# Allegro board 8880F5-0827_txbegin.brd (continued)
## Routing (per net, layer and track width the routed paths; a pad name or vN(x,y) marks a point on that pad's centre or on a via; arc(x,y) is an arc through that point) (continued)
  L30_SIGNAL w0.074: 88.9,80.47 D130.B2 ; D130.B2 89.71,81.28 ; D130.B2 88.09,81.28 ; D130.B2 88.9,82.09 ; 190.5,32.21 D120.A13 ; D120.A13 191.31,33.02 ; D120.A13 190.5,33.83 ; D120.A13 189.69,33.02 ; 194.87,63.5 D318.A15 ; D318.A15 196.29,63.5 ; D318.A15 195.58,64.21 ; D318.A15 195.58,62.79 ; 255.83,71.12 D322.B10 ; D322.B10 256.54,71.83 ; D322.B10 256.54,70.41 ; D322.B10 257.25,71.12 ; 184.61,58.42 D119.B11 ; D119.B11 185.42,57.61 ; D119.B11 185.42,59.23 ; D119.B11 186.23,58.42 ; D109.B6 408.94,328.47 ; D109.B6 408.94,326.85 ; D109.B6 408.13,327.66 ; D109.B6 409.75,327.66 ; D104.A14 341.17,35.56 ; D104.A14 339.55,35.56 ; D104.A14 340.36,34.75 ; D104.A14 340.36,36.37 ; 330.23,185.95 SITE4.G18 ; SITE4.G18 330.23,186.91 ; SITE4.G18 329.75,186.43 ; SITE4.G18 330.71,186.43 ; D129.B6 99.87,101.6 ; D129.B6 98.25,101.6 ; D129.B6 99.06,100.79 ; D129.B6 99.06,102.41 ; 199.85,415.29 DPS8.A01 ; DPS8.A01 201.47,415.29 ; DPS8.A01 200.66,416.1 ; DPS8.A01 200.66,414.48 ; 37.29,78.74 D126.B11 ; D126.B11 38.91,78.74 ; D126.B11 38.1,79.55 ; D126.B11 38.1,77.93 ; 337.82,375.11 D115.A5 ; D115.A5 338.63,375.92 ; D115.A5 337.01,375.92 ; D115.A5 337.82,376.73 ; 258.27,33.02 D124.A11 ; D124.A11 259.08,33.83 ; D124.A11 259.08,32.21 ; D124.A11 259.89,33.02 ; 316.69,53.34 D103.A5 ; D103.A5 317.5,54.15 ; D103.A5 318.31,53.34 ; D103.A5 317.5,52.53 ; 307.34,88.19 D301.B1 ; D301.B1 307.34,89.61 ; D301.B1 306.63,88.9 ; D301.B1 308.05,88.9 ; D103.B1 307.34,59.23 ; D103.B1 307.34,57.61 ; D103.B1 308.15,58.42 ; D103.B1 306.53,58.42 ; D317.B13 190.5,89.61 ; D317.B13 190.5,88.19 ; D317.B13 191.21,88.9 ; D317.B13 189.79,88.9 ; 166.93,71.12 D318.B4 ; D318.B4 167.64,71.83 ; D318.B4 167.64,70.41 ; D318.B4 168.35,71.12 ; D122.A8 252.27,76.2 ; D122.A8 250.65,76.2 ; D122.A8 251.46,77.01 ; D122.A8 251.46,75.39 ; 187.96,85.65 D317.A12 ; D317.A12 188.67,86.36 ; D317.A12 187.25,86.36 ; D317.A12 187.96,87.07 ; 108.41,81.28 D130.B10 ; D130.B10 109.22,80.47 ; D130.B10 109.22,82.09 ; D130.B10 110.03,81.28 ; 401.32,57.61 D107.B9 ; D107.B9 400.51,58.42 ; D107.B9 401.32,59.23 ; D107.B9 402.13,58.42 ; 413.21,60.96 D107.B14 ; D107.B14 414.02,61.77 ; D107.B14 414.02,60.15 ; D107.B14 414.83,60.96 ; 419.1,90.73 D305.B16 ; D305.B16 418.39,91.44 ; D305.B16 419.81,91.44 ; D305.B16 419.1,92.15 ; 397.97,327.66 D109.B10 ; D109.B10 398.78,328.47 ; D109.B10 398.78,326.85 ; D109.B10 399.59,327.66 ; 380.29,83.82 D305.A1 ; D305.A1 381.71,83.82 ; D305.A1 381,84.53 ; D305.A1 381,83.11 ; 98.25,60.96 D131.B6 ; D131.B6 99.06,60.15 ; D131.B6 99.06,61.77 ; D131.B6 99.87,60.96 ; D125.A4 21.13,96.52 ; D125.A4 20.32,95.71 ; D125.A4 19.51,96.52 ; D125.A4 20.32,97.33 ; 408.23,86.36 D305.A12 ; D305.A12 408.94,85.65 ; D305.A12 409.65,86.36 ; D305.A12 408.94,87.07 ; 169.37,78.74 D118.B5 ; D118.B5 170.18,79.55 ; D118.B5 170.99,78.74 ; D118.B5 170.18,77.93 ; 248.92,77.93 D122.B7 ; D122.B7 248.92,79.55 ; D122.B7 249.73,78.74 ; D122.B7 248.11,78.74 ; 175.26,77.93 D118.B7 ; D118.B7 176.07,78.74 ; D118.B7 174.45,78.74 ; D118.B7 175.26,79.55 ; 251.43,242.35 SITE1.G15 ; SITE1.G15 250.95,242.83 ; SITE1.G15 251.91,242.83 ; SITE1.G15 251.43,243.31 ; D127.A16 51.61,55.88 ; D127.A16 50.8,56.69 ; D127.A16 50.8,55.07 ; D127.A16 49.99,55.88 ; D102.B6 320.04,82.09 ; D102.B6 319.23,81.28 ; D102.B6 320.04,80.47 ; D102.B6 320.85,81.28 ; D321.A9 254,84.53 ; D321.A9 254,83.11 ; D321.A9 254.71,83.82 ; D321.A9 253.29,83.82 ; 190.5,52.53 D119.A13 ; D119.A13 190.5,54.15 ; D119.A13 191.31,53.34 ; D119.A13 189.69,53.34 ; 260.81,40.64 D124.B12 ; D124.B12 261.62,39.83 ; D124.B12 262.43,40.64 ; D124.B12 261.62,41.45 ; UNK4U2.4 483.43,171.51 ; UNK4U2.4 482.49,170.56 ; UNK4U2.4 481.55,171.51 ; UNK4U2.4 482.49,172.45 ; 197.41,86.36 D317.A16 ; D317.A16 198.12,87.07 ; D317.A16 198.83,86.36 ; D317.A16 198.12,85.65 ; 410.67,370.84 D111.B5 ; D111.B5 412.29,370.84 ; D111.B5 411.48,370.03 ; D111.B5 411.48,371.65 ; 247.85,241.33 SITE1.G1 ; SITE1.G1 248.33,241.81 ; SITE1.G1 248.33,240.85 ; SITE1.G1 248.81,241.33 ; D116.B2 345.44,389.43 ; D116.B2 345.44,387.81 ; D116.B2 346.25,388.62 ; D116.B2 344.63,388.62 ; SITE4.G12 333.81,187.93 ; SITE4.G12 333.33,188.41 ; SITE4.G12 332.85,187.93 ; SITE4.G12 333.33,187.45 ; D106.B11 406.4,79.55 ; D106.B11 406.4,77.93 ; D106.B11 405.59,78.74 ; D106.B11 407.21,78.74 ; D318.B11 185.42,69.29 ; D318.B11 184.71,68.58 ; D318.B11 185.42,67.87 ; D318.B11 186.13,68.58 ; D321.B5 244.55,88.9 ; D321.B5 243.84,88.19 ; D321.B5 243.13,88.9 ; D321.B5 243.84,89.61 ; 347.17,410.21 DPS2.C01 ; DPS2.C01 347.98,409.4 ; DPS2.C01 348.79,410.21 ; DPS2.C01 347.98,411.02 ; D317.B9 180.34,89.61 ; D317.B9 180.34,88.19 ; D317.B9 181.05,88.9 ; D317.B9 179.63,88.9 ; CSDPS225.C7 259.08,331.01 ; CSDPS225.C7 259.89,330.2 ; CSDPS225.C7 259.08,329.39 ; CSDPS225.C7 258.27,330.2 ; 414.02,347.17 D110.B4 ; D110.B4 414.83,347.98 ; D110.B4 413.21,347.98 ; D110.B4 414.02,348.79 ; 331.85,241.33 SITE2.G5 ; SITE2.G5 332.81,241.33 ; SITE2.G5 332.33,241.81 ; SITE2.G5 332.33,240.85 ; 328.85,187.93 SITE4.G8 ; SITE4.G8 329.33,188.41 ; SITE4.G8 329.33,187.45 ; SITE4.G8 329.81,187.93 ; D116.A7 332.74,397.05 ; D116.A7 332.74,395.43 ; D116.A7 333.55,396.24 ; D116.A7 331.93,396.24 ; D306.A2 384.25,66.04 ; D306.A2 383.54,65.33 ; D306.A2 383.54,66.75 ; D306.A2 382.83,66.04 ; 248.92,62.79 D322.A7 ; D322.A7 248.21,63.5 ; D322.A7 249.63,63.5 ; D322.A7 248.92,64.21 ; D122.A9 254,74.47 ; D122.A9 254,72.85 ; D122.A9 254.81,73.66 ; D122.A9 253.19,73.66 ; 255.73,332.74 CSDPS225.B8 ; CSDPS225.B8 256.54,331.93 ; CSDPS225.B8 256.54,333.55 ; CSDPS225.B8 257.35,332.74 ; D306.B10 404.57,71.12 ; D306.B10 403.86,70.41 ; D306.B10 403.86,71.83 ; D306.B10 403.15,71.12 ; 24.59,55.88 D127.A6 ; D127.A6 25.4,56.69 ; D127.A6 26.21,55.88 ; D127.A6 25.4,55.07 ; 321.77,33.02 D104.A7 ; D104.A7 323.39,33.02 ; D104.A7 322.58,33.83 ; D104.A7 322.58,32.21 ; D115.B3 342.9,371.65 ; D115.B3 342.09,370.84 ; D115.B3 342.9,370.03 ; D115.B3 343.71,370.84 ; D130.B5 97.33,78.74 ; D130.B5 96.52,77.93 ; D130.B5 96.52,79.55 ; D130.B5 95.71,78.74 ; 198.12,377.65 D431.B2 ; D431.B2 198.93,378.46 ; D431.B2 198.12,379.27 ; D431.B2 197.31,378.46 ; 42.37,93.98 D125.A13 ; D125.A13 43.18,94.79 ; D125.A13 43.99,93.98 ; D125.A13 43.18,93.17 ; D107.B12 409.75,60.96 ; D107.B12 408.94,61.77 ; D107.B12 408.94,60.15 ; D107.B12 408.13,60.96 ; D103.B12 335.28,61.77 ; D103.B12 334.47,60.96 ; D103.B12 336.09,60.96 ; D103.B12 335.28,60.15 ; D120.A6 173.53,35.56 ; D120.A6 172.72,34.75 ; D120.A6 171.91,35.56 ; D120.A6 172.72,36.37 ; 317.5,395.43 D116.A13 ; D116.A13 317.5,397.05 ; D116.A13 316.69,396.24 ; D116.A13 318.31,396.24 ; D306.A6 393.7,66.75 ; D306.A6 392.99,66.04 ; D306.A6 394.41,66.04 ; D306.A6 393.7,65.33 ; D126.A10 35.56,77.01 ; D126.A10 35.56,75.39 ; D126.A10 34.75,76.2 ; D126.A10 36.37,76.2 ; D124.B3 238.76,38.91 ; D124.B3 238.76,37.29 ; D124.B3 239.57,38.1 ; D124.B3 237.95,38.1 ; 30.48,55.07 D127.A8 ; D127.A8 31.29,55.88 ; D127.A8 30.48,56.69 ; D127.A8 29.67,55.88 ; D113.B15 313.23,330.2 ; D113.B15 312.42,331.01 ; D113.B15 312.42,329.39 ; D113.B15 311.61,330.2 ; 393.7,326.85 D109.B12 ; D109.B12 394.51,327.66 ; D109.B12 393.7,328.47 ; D109.B12 392.89,327.66 ; 264.16,32.21 D124.A13 ; D124.A13 263.35,33.02 ; D124.A13 264.97,33.02 ; D124.A13 264.16,33.83 ; 397.97,35.56 D108.A8 ; D108.A8 398.78,34.75 ; D108.A8 398.78,36.37 ; D108.A8 399.59,35.56 ; D116.B1 348.79,391.16 ; D116.B1 347.17,391.16 ; D116.B1 347.98,390.35 ; D116.B1 347.98,391.97 ; D120.B8 177.8,41.45 ; D120.B8 177.8,39.83 ; D120.B8 178.61,40.64 ; D120.B8 176.99,40.64 ; D131.A7 101.6,54.15 ; D131.A7 101.6,52.53 ; D131.A7 102.41,53.34 ; D131.A7 100.79,53.34 ; D322.B11 259.08,69.29 ; D322.B11 258.37,68.58 ; D322.B11 259.08,67.87 ; D322.B11 259.79,68.58 ; 121.92,57.61 D131.B15 ; D131.B15 121.92,59.23 ; D131.B15 121.11,58.42 ; D131.B15 122.73,58.42 ; 311.61,396.24 D116.A15 ; D116.A15 312.42,397.05 ; D116.A15 312.42,395.43 ; D116.A15 313.23,396.24 ; D124.B11 259.89,38.1 ; D124.B11 259.08,38.91 ; D124.B11 258.27,38.1 ; D124.B11 259.08,37.29 ; D305.B10 404.57,91.44 ; D305.B10 403.15,91.44 ; D305.B10 403.86,92.15 ; D305.B10 403.86,90.73 ; 95.71,93.98 D129.A5 ; D129.A5 97.33,93.98 ; D129.A5 96.52,93.17 ; D129.A5 96.52,94.79 ; 199.85,381 D431.B1 ; D431.B1 201.47,381 ; D431.B1 200.66,381.81 ; D431.B1 200.66,380.19 ; 197.31,60.96 D119.B16 ; D119.B16 198.12,61.77 ; D119.B16 198.93,60.96 ; D119.B16 198.12,60.15 ; D431.A6 188.77,383.54 ; D431.A6 187.96,384.35 ; D431.A6 187.15,383.54 ; D431.A6 187.96,382.73 ; SITE3.G6 253.81,181.33 ; SITE3.G6 253.33,180.85 ; SITE3.G6 253.33,181.81 ; SITE3.G6 252.85,181.33 ; SITE1.G17 249.51,246.43 ; SITE1.G17 249.03,246.91 ; SITE1.G17 248.55,246.43 ; SITE1.G17 249.03,245.95 ; 167.64,342.09 CSDPS429.B14 ; CSDPS429.B14 166.83,342.9 ; CSDPS429.B14 167.64,343.71 ; CSDPS429.B14 168.45,342.9 ; 405.69,68.58 D306.B11 ; D306.B11 406.4,69.29 ; D306.B11 407.11,68.58 ; D306.B11 406.4,67.87 ; 121.92,93.17 D129.A15 ; D129.A15 121.11,93.98 ; D129.A15 122.73,93.98 ; D129.A15 121.92,94.79 ; 96.52,32.21 D132.A5 ; D132.A5 96.52,33.83 ; D132.A5 95.71,33.02 ; D132.A5 97.33,33.02 ; 329.39,327.66 D113.B8 ; D113.B8 330.2,328.47 ; D113.B8 330.2,326.85 ; D113.B8 331.01,327.66 ; 312.42,62.79 D302.A3 ; D302.A3 312.42,64.21 ; D302.A3 313.13,63.5 ; D302.A3 311.71,63.5 ; D122.A2 237.03,76.2 ; D122.A2 236.22,77.01 ; D122.A2 235.41,76.2 ; D122.A2 236.22,75.39 ; UNK3U1.4 97.29,162.79 ; UNK3U1.4 98.23,161.85 ; UNK3U1.4 97.29,160.91 ; UNK3U1.4 96.35,161.85 ; 393.7,352.25 D110.A12 ; D110.A12 393.7,353.87 ; D110.A12 394.51,353.06 ; D110.A12 392.89,353.06 ; 44.91,81.28 D126.B14 ; D126.B14 45.72,80.47 ; D126.B14 45.72,82.09 ; D126.B14 46.53,81.28 ; D124.A15 270.05,33.02 ; D124.A15 268.43,33.02 ; D124.A15 269.24,32.21 ; D124.A15 269.24,33.83 ; D115.A6 336.09,373.38 ; D115.A6 335.28,372.57 ; D115.A6 335.28,374.19 ; D115.A6 334.47,373.38 ; 317.5,370.03 D115.B13 ; D115.B13 316.69,370.84 ; D115.B13 318.31,370.84 ; D115.B13 317.5,371.65 ; 182.07,55.88 D119.A10 ; D119.A10 182.88,56.69 ; D119.A10 183.69,55.88 ; D119.A10 182.88,55.07 ; 90.63,38.1 D132.B3 ; D132.B3 91.44,38.91 ; D132.B3 92.25,38.1 ; D132.B3 91.44,37.29 ; 386.08,395.43 D112.A15 ; D112.A15 386.89,396.24 ; D112.A15 385.27,396.24 ; D112.A15 386.08,397.05 ; 382.73,35.56 D108.A2 ; D108.A2 383.54,34.75 ; D108.A2 383.54,36.37 ; D108.A2 384.35,35.56 ; 243.03,38.1 D124.B5 ; D124.B5 244.65,38.1 ; D124.B5 243.84,38.91 ; D124.B5 243.84,37.29 ; D107.A4 389.43,55.88 ; D107.A4 388.62,56.69 ; D107.A4 387.81,55.88 ; D107.A4 388.62,55.07 ; D131.A14 120.19,55.88 ; D131.A14 119.38,55.07 ; D131.A14 118.57,55.88 ; D131.A14 119.38,56.69 ; 20.32,55.07 D127.A4 ; D127.A4 21.13,55.88 ; D127.A4 20.32,56.69 ; D127.A4 19.51,55.88 ; 391.16,37.29 D108.B5 ; D108.B5 390.35,38.1 ; D108.B5 391.16,38.91 ; D108.B5 391.97,38.1 ; 321.87,83.82 D301.A7 ; D301.A7 322.58,84.53 ; D301.A7 323.29,83.82 ; D301.A7 322.58,83.11 ; D301.B15 343.61,88.9 ; D301.B15 342.9,88.19 ; D301.B15 342.9,89.61 ; D301.B15 342.19,88.9 ; D129.A1 87.17,93.98 ; D129.A1 85.55,93.98 ; D129.A1 86.36,94.79 ; D129.A1 86.36,93.17 ; D114.B14 314.96,348.79 ; D114.B14 315.77,347.98 ; D114.B14 314.15,347.98 ; D114.B14 314.96,347.17 ; 170.18,385.27 D431.A13 ; D431.A13 170.99,386.08 ; D431.A13 169.37,386.08 ; D431.A13 170.18,386.89 ; 332.03,63.5 D302.A11 ; D302.A11 332.74,62.79 ; D302.A11 333.45,63.5 ; D302.A11 332.74,64.21 ; 170.18,52.53 D119.A5 ; D119.A5 170.18,54.15 ; D119.A5 169.37,53.34 ; D119.A5 170.99,53.34 ; D302.B2 309.88,71.83 ; D302.B2 309.88,70.41 ; D302.B2 309.17,71.12 ; D302.B2 310.59,71.12 ; D118.B9 181.15,78.74 ; D118.B9 180.34,77.93 ; D118.B9 180.34,79.55 ; D118.B9 179.53,78.74 ; 177.8,372.57 D231.A10 ; D231.A10 178.61,373.38 ; D231.A10 176.99,373.38 ; D231.A10 177.8,374.19 ; 123.65,101.6 D129.B16 ; D129.B16 125.27,101.6 ; D129.B16 124.46,102.41 ; D129.B16 124.46,100.79 ; 252.15,186.43 SITE3.G20 ; SITE3.G20 252.63,185.95 ; SITE3.G20 252.63,186.91 ; SITE3.G20 253.11,186.43 ; 246.38,85.65 D321.A6 ; D321.A6 246.38,87.07 ; D321.A6 245.67,86.36 ; D321.A6 247.09,86.36 ; D321.B1 234.39,88.9 ; D321.B1 233.68,89.61 ; D321.B1 232.97,88.9 ; D321.B1 233.68,88.19 ; D114.B10 325.93,347.98 ; D114.B10 324.31,347.98 ; D114.B10 325.12,347.17 ; D114.B10 325.12,348.79 ; D317.B10 183.59,91.44 ; D317.B10 182.88,92.15 ; D317.B10 182.88,90.73 ; D317.B10 182.17,91.44 ; D129.B3 91.44,99.87 ; D129.B3 92.25,99.06 ; D129.B3 91.44,98.25 ; D129.B3 90.63,99.06 ; 250.95,186.43 SITE3.G19 ; SITE3.G19 251.91,186.43 ; SITE3.G19 251.43,185.95 ; SITE3.G19 251.43,186.91 ; D122.B5 244.65,78.74 ; D122.B5 243.84,79.55 ; D122.B5 243.84,77.93 ; D122.B5 243.03,78.74 ; D130.A2 89.71,76.2 ; D130.A2 88.09,76.2 ; D130.A2 88.9,75.39 ; D130.A2 88.9,77.01 ; D107.A5 391.16,54.15 ; D107.A5 390.35,53.34 ; D107.A5 391.97,53.34 ; D107.A5 391.16,52.53 ; 34.75,96.52 D125.A10 ; D125.A10 35.56,95.71 ; D125.A10 35.56,97.33 ; D125.A10 36.37,96.52 ; 175.26,329.39 CSDPS229.C11 ; CSDPS229.C11 176.07,330.2 ; CSDPS229.C11 175.26,331.01 ; CSDPS229.C11 174.45,330.2 ; 408.94,70.41 D306.B12 ; D306.B12 408.94,71.83 ; D306.B12 409.65,71.12 ; D306.B12 408.23,71.12 ; 180.34,32.21 D120.A9 ; D120.A9 181.15,33.02 ; D120.A9 180.34,33.83 ; D120.A9 179.53,33.02 ; D112.A4 414.83,393.7 ; D112.A4 413.21,393.7 ; D112.A4 414.02,394.51 ; D112.A4 414.02,392.89 ; D108.B4 389.43,40.64 ; D108.B4 388.62,41.45 ; D108.B4 388.62,39.83 ; D108.B4 387.81,40.64 ; 390.45,68.58 D306.B5 ; D306.B5 391.16,69.29 ; D306.B5 391.16,67.87 ; D306.B5 391.87,68.58 ; 248.92,57.61 D123.B7 ; D123.B7 248.11,58.42 ; D123.B7 248.92,59.23 ; D123.B7 249.73,58.42 ; D113.B2 345.44,328.47 ; D113.B2 345.44,326.85 ; D113.B2 346.25,327.66 ; D113.B2 344.63,327.66 ; D104.A3 312.42,33.83 ; D104.A3 312.42,32.21 ; D104.A3 311.61,33.02 ; D104.A3 313.23,33.02 ; 192.23,76.2 D118.A14 ; D118.A14 193.04,77.01 ; D118.A14 193.85,76.2 ; D118.A14 193.04,75.39 ; D317.B14 193.75,91.44 ; D317.B14 192.33,91.44 ; D317.B14 193.04,90.73 ; D317.B14 193.04,92.15 ; 164.29,340.36 CSDPS429.C15 ; CSDPS429.C15 165.1,339.55 ; CSDPS429.C15 165.91,340.36 ; CSDPS429.C15 165.1,341.17 ; 342.09,335.28 D113.A3 ; D113.A3 343.71,335.28 ; D113.A3 342.9,334.47 ; D113.A3 342.9,336.09 ; 406.4,37.29 D108.B11 ; D108.B11 405.59,38.1 ; D108.B11 406.4,38.91 ; D108.B11 407.21,38.1 ; D107.B6 393.7,61.77 ; D107.B6 392.89,60.96 ; D107.B6 394.51,60.96 ; D107.B6 393.7,60.15 ; 258.27,73.66 D122.A11 ; D122.A11 259.89,73.66 ; D122.A11 259.08,72.85 ; D122.A11 259.08,74.47 ; 414.02,352.25 D110.A4 ; D110.A4 414.02,353.87 ; D110.A4 413.21,353.06 ; D110.A4 414.83,353.06 ; 252.85,241.33 SITE1.G6 ; SITE1.G6 253.81,241.33 ; SITE1.G6 253.33,240.85 ; SITE1.G6 253.33,241.81 ; D125.B4 20.32,102.41 ; D125.B4 20.32,100.79 ; D125.B4 19.51,101.6 ; D125.B4 21.13,101.6 ; D305.B13 411.48,89.61 ; D305.B13 411.48,88.19 ; D305.B13 412.19,88.9 ; D305.B13 410.77,88.9 ; SITE1.G16 253.11,242.83 ; SITE1.G16 252.63,243.31 ; SITE1.G16 252.63,242.35 ; SITE1.G16 252.15,242.83 ; 189.79,68.58 D318.B13 ; D318.B13 190.5,69.29 ; D318.B13 191.21,68.58 ; D318.B13 190.5,67.87 ; D131.A15 122.73,53.34 ; D131.A15 121.92,54.15 ; D131.A15 121.92,52.53 ; D131.A15 121.11,53.34 ; 321.77,58.42 D103.B7 ; D103.B7 323.39,58.42 ; D103.B7 322.58,57.61 ; D103.B7 322.58,59.23 ; D103.A4 314.96,56.69 ; D103.A4 314.15,55.88 ; D103.A4 314.96,55.07 ; D103.A4 315.77,55.88 ; D106.B16 419.91,81.28 ; D106.B16 419.1,82.09 ; D106.B16 419.1,80.47 ; D106.B16 418.29,81.28 ; D107.A13 412.29,53.34 ; D107.A13 410.67,53.34 ; D107.A13 411.48,52.53 ; D107.A13 411.48,54.15 ; 232.87,38.1 D124.B1 ; D124.B1 234.49,38.1 ; D124.B1 233.68,37.29 ; D124.B1 233.68,38.91 ; D118.B14 193.04,82.09 ; D118.B14 193.04,80.47 ; D118.B14 193.85,81.28 ; D118.B14 192.23,81.28 ; D103.A15 342.9,54.15 ; D103.A15 342.9,52.53 ; D103.A15 342.09,53.34 ; D103.A15 343.71,53.34 ; U2.4 97.14,220.09 ; U2.4 97.14,218.21 ; U2.4 96.2,219.15 ; U2.4 98.08,219.15 ; D119.A15 195.58,54.15 ; D119.A15 195.58,52.53 ; D119.A15 194.77,53.34 ; D119.A15 196.39,53.34 ; 419.1,85.65 D305.A16 ; D305.A16 419.81,86.36 ; D305.A16 418.39,86.36 ; D305.A16 419.1,87.07 ; 266.7,85.65 D321.A14 ; D321.A14 265.99,86.36 ; D321.A14 267.41,86.36 ; D321.A14 266.7,87.07 ; CSDPS429.C3 195.58,341.17 ; CSDPS429.C3 195.58,339.55 ; CSDPS429.C3 196.39,340.36 ; CSDPS429.C3 194.77,340.36 ; D318.A11 186.13,63.5 ; D318.A11 185.42,64.21 ; D318.A11 185.42,62.79 ; D318.A11 184.71,63.5 ; D123.A5 243.84,54.15 ; D123.A5 243.84,52.53 ; D123.A5 244.65,53.34 ; D123.A5 243.03,53.34 ; D114.B6 336.09,347.98 ; D114.B6 335.28,347.17 ; D114.B6 334.47,347.98 ; D114.B6 335.28,348.79 ; 241.3,65.33 D322.A4 ; D322.A4 242.01,66.04 ; D322.A4 240.59,66.04 ; D322.A4 241.3,66.75 ; 16.97,93.98 D125.A3 ; D125.A3 17.78,93.17 ; D125.A3 17.78,94.79 ; D125.A3 18.59,93.98 ; 25.4,95.71 D125.A6 ; D125.A6 26.21,96.52 ; D125.A6 24.59,96.52 ; D125.A6 25.4,97.33 ; 408.94,372.57 D111.A6 ; D111.A6 408.94,374.19 ; D111.A6 409.75,373.38 ; D111.A6 408.13,373.38 ; 172.72,367.49 D231.B12 ; D231.B12 171.91,368.3 ; D231.B12 172.72,369.11 ; D231.B12 173.53,368.3 ; 314.15,388.62 D116.B14 ; D116.B14 314.96,387.81 ; D116.B14 314.96,389.43 ; D116.B14 315.77,388.62 ; 329.39,332.74 D113.A8 ; D113.A8 330.2,333.55 ; D113.A8 330.2,331.93 ; D113.A8 331.01,332.74 ; D119.A16 198.93,55.88 ; D119.A16 198.12,55.07 ; D119.A16 197.31,55.88 ; D119.A16 198.12,56.69 ; D317.B11 185.42,89.61 ; D317.B11 185.42,88.19 ; D317.B11 186.13,88.9 ; D317.B11 184.71,88.9 ; D124.A7 249.73,33.02 ; D124.A7 248.92,33.83 ; D124.A7 248.92,32.21 ; D124.A7 248.11,33.02 ; 342.9,349.71 D114.B3 ; D114.B3 342.09,350.52 ; D114.B3 342.9,351.33 ; D114.B3 343.71,350.52 ; 93.17,35.56 D132.A4 ; D132.A4 93.98,36.37 ; D132.A4 94.79,35.56 ; D132.A4 93.98,34.75 ; 243.84,13.16 DPS3.A05 ; DPS3.A05 244.65,13.97 ; DPS3.A05 243.84,14.78 ; DPS3.A05 243.03,13.97 ; 325.12,70.41 D302.B8 ; D302.B8 325.12,71.83 ; D302.B8 324.41,71.12 ; D302.B8 325.83,71.12 ; 121.11,99.06 D129.B15 ; D129.B15 122.73,99.06 ; D129.B15 121.92,99.87 ; D129.B15 121.92,98.25 ; D112.B1 422.45,391.16 ; D112.B1 420.83,391.16 ; D112.B1 421.64,390.35 ; D112.B1 421.64,391.97 ; 395.43,396.24 D112.A11 ; D112.A11 397.05,396.24 ; D112.A11 396.24,395.43 ; D112.A11 396.24,397.05 ; 245.67,91.44 D321.B6 ; D321.B6 246.38,90.73 ; D321.B6 247.09,91.44 ; D321.B6 246.38,92.15 ; D109.A16 383.54,333.55 ; D109.A16 384.35,332.74 ; D109.A16 382.73,332.74 ; D109.A16 383.54,331.93 ; 246.38,342.09 CSDPS425.B12 ; CSDPS425.B12 246.38,343.71 ; CSDPS425.B12 247.19,342.9 ; CSDPS425.B12 245.57,342.9 ; 27.13,78.74 D126.B7 ; D126.B7 28.75,78.74 ; D126.B7 27.94,79.55 ; D126.B7 27.94,77.93 ; 406.4,334.47 D109.A7 ; D109.A7 405.59,335.28 ; D109.A7 407.21,335.28 ; D109.A7 406.4,336.09 ; D132.A1 87.17,33.02 ; D132.A1 86.36,32.21 ; D132.A1 86.36,33.83 ; D132.A1 85.55,33.02 ; D301.A10 330.91,86.36 ; D301.A10 329.49,86.36 ; D301.A10 330.2,87.07 ; D301.A10 330.2,85.65 ; D128.B10 36.37,40.64 ; D128.B10 35.56,39.83 ; D128.B10 35.56,41.45 ; D128.B10 34.75,40.64 ; 27.94,57.61 D127.B7 ; D127.B7 27.94,59.23 ; D127.B7 28.75,58.42 ; D127.B7 27.13,58.42 ; 383.54,347.17 D110.B16 ; D110.B16 382.73,347.98 ; D110.B16 383.54,348.79 ; D110.B16 384.35,347.98 ; D127.B11 38.1,59.23 ; D127.B11 38.91,58.42 ; D127.B11 38.1,57.61 ; D127.B11 37.29,58.42 ; 393.7,75.39 D106.A6 ; D106.A6 394.51,76.2 ; D106.A6 393.7,77.01 ; D106.A6 392.89,76.2 ; 324.31,353.06 D114.A10 ; D114.A10 325.12,352.25 ; D114.A10 325.12,353.87 ; D114.A10 325.93,353.06 ; CSDPS225.B6 262.43,332.74 ; CSDPS225.B6 261.62,333.55 ; CSDPS225.B6 261.62,331.93 ; CSDPS225.B6 260.81,332.74 ; 268.43,340.36 CSDPS425.C3 ; CSDPS425.C3 270.05,340.36 ; CSDPS425.C3 269.24,339.55 ; CSDPS425.C3 269.24,341.17 ; 232.87,78.74 D122.B1 ; D122.B1 233.68,77.93 ; D122.B1 234.49,78.74 ; D122.B1 233.68,79.55 ; D131.A13 117.65,53.34 ; D131.A13 116.03,53.34 ; D131.A13 116.84,54.15 ; D131.A13 116.84,52.53 ; 415.85,63.5 D306.A15 ; D306.A15 416.56,62.79 ; D306.A15 416.56,64.21 ; D306.A15 417.27,63.5 ; D111.B16 383.54,369.11 ; D111.B16 382.73,368.3 ; D111.B16 384.35,368.3 ; D111.B16 383.54,367.49 ; D114.B13 317.5,351.33 ; D114.B13 316.69,350.52 ; D114.B13 318.31,350.52 ; D114.B13 317.5,349.71 ; 93.98,60.15 D131.B4 ; D131.B4 93.98,61.77 ; D131.B4 93.17,60.96 ; D131.B4 94.79,60.96 ; D110.B2 419.91,347.98 ; D110.B2 418.29,347.98 ; D110.B2 419.1,348.79 ; D110.B2 419.1,347.17 ; 340.36,326.85 D113.B4 ; D113.B4 340.36,328.47 ; D113.B4 341.17,327.66 ; D113.B4 339.55,327.66 ; 176.99,55.88 D119.A8 ; D119.A8 178.61,55.88 ; D119.A8 177.8,56.69 ; D119.A8 177.8,55.07 ; 184.61,340.36 CSDPS429.C7 ; CSDPS429.C7 186.23,340.36 ; CSDPS429.C7 185.42,341.17 ; CSDPS429.C7 185.42,339.55 ; 268.43,73.66 D122.A15 ; D122.A15 269.24,72.85 ; D122.A15 269.24,74.47 ; D122.A15 270.05,73.66 ; CSDPS225.B16 236.22,333.55 ; CSDPS225.B16 235.41,332.74 ; CSDPS225.B16 237.03,332.74 ; CSDPS225.B16 236.22,331.93 ; 243.13,63.5 D322.A5 ; D322.A5 244.55,63.5 ; D322.A5 243.84,64.21 ; D322.A5 243.84,62.79 ; 311.71,83.82 D301.A3 ; D301.A3 312.42,83.11 ; D301.A3 312.42,84.53 ; D301.A3 313.13,83.82 ; 171.91,373.38 D231.A12 ; D231.A12 173.53,373.38 ; D231.A12 172.72,374.19 ; D231.A12 172.72,372.57 ; D231.A2 198.93,373.38 ; D231.A2 198.12,374.19 ; D231.A2 198.12,372.57 ; D231.A2 197.31,373.38 ; 252.33,187.45 SITE3.G11 ; SITE3.G11 252.81,187.93 ; SITE3.G11 252.33,188.41 ; SITE3.G11 251.85,187.93 ; D131.A11 111.76,54.15 ; D131.A11 112.57,53.34 ; D131.A11 111.76,52.53 ; D131.A11 110.95,53.34 ; 337.01,410.21 DPS2.C05 ; DPS2.C05 338.63,410.21 ; DPS2.C05 337.82,411.02 ; DPS2.C05 337.82,409.4 ; D106.A7 396.24,74.47 ; D106.A7 395.43,73.66 ; D106.A7 396.24,72.85 ; D106.A7 397.05,73.66 ; 160.02,77.93 D118.B1 ; D118.B1 160.02,79.55 ; D118.B1 159.21,78.74 ; D118.B1 160.83,78.74 ; D126.B16 51.61,81.28 ; D126.B16 50.8,82.09 ; D126.B16 50.8,80.47 ; D126.B16 49.99,81.28 ; 335.28,387.81 D116.B6 ; D116.B6 336.09,388.62 ; D116.B6 335.28,389.43 ; D116.B6 334.47,388.62 ; 386.08,37.29 D108.B3 ; D108.B3 386.08,38.91 ; D108.B3 386.89,38.1 ; D108.B3 385.27,38.1 ; 245.57,35.56 D124.A6 ; D124.A6 246.38,34.75 ; D124.A6 247.19,35.56 ; D124.A6 246.38,36.37 ; D132.A3 91.44,33.83 ; D132.A3 92.25,33.02 ; D132.A3 91.44,32.21 ; D132.A3 90.63,33.02 ; 182.07,60.96 D119.B10 ; D119.B10 182.88,60.15 ; D119.B10 183.69,60.96 ; D119.B10 182.88,61.77 ; 250.65,35.56 D124.A8 ; D124.A8 252.27,35.56 ; D124.A8 251.46,34.75 ; D124.A8 251.46,36.37 ; SITE2.G11 332.81,247.93 ; SITE2.G11 331.85,247.93 ; SITE2.G11 332.33,248.41 ; SITE2.G11 332.33,247.45 ; D109.A6 409.75,332.74 ; D109.A6 408.94,333.55 ; D109.A6 408.94,331.93 ; D109.A6 408.13,332.74 ; 330.33,247.45 SITE2.G9 ; SITE2.G9 330.33,248.41 ; SITE2.G9 330.81,247.93 ; SITE2.G9 329.85,247.93 ; D123.B16 272.59,60.96 ; D123.B16 270.97,60.96 ; D123.B16 271.78,60.15 ; D123.B16 271.78,61.77 ; 264.16,52.53 D123.A13 ; D123.A13 264.97,53.34 ; D123.A13 263.35,53.34 ; D123.A13 264.16,54.15 ; D128.B16 51.61,40.64 ; D128.B16 50.8,39.83 ; D128.B16 50.8,41.45 ; D128.B16 49.99,40.64 ; SITE2.G6 333.33,241.81 ; SITE2.G6 332.85,241.33 ; SITE2.G6 333.33,240.85 ; SITE2.G6 333.81,241.33 ; 311.71,68.58 D302.B3 ; D302.B3 313.13,68.58 ; D302.B3 312.42,67.87 ; D302.B3 312.42,69.29 ; 189.69,375.92 D231.A5 ; D231.A5 190.5,376.73 ; D231.A5 190.5,375.11 ; D231.A5 191.31,375.92 ; 329.39,35.56 D104.A10 ; D104.A10 330.2,36.37 ; D104.A10 331.01,35.56 ; D104.A10 330.2,34.75 ; D118.B13 190.5,79.55 ; D118.B13 189.69,78.74 ; D118.B13 191.31,78.74 ; D118.B13 190.5,77.93 ; 24.59,40.64 D128.B6 ; D128.B6 26.21,40.64 ; D128.B6 25.4,39.83 ; D128.B6 25.4,41.45 ; D110.A14 389.43,353.06 ; D110.A14 388.62,352.25 ; D110.A14 388.62,353.87 ; D110.A14 387.81,353.06 ; D103.B3 312.42,59.23 ; D103.B3 312.42,57.61 ; D103.B3 313.23,58.42 ; D103.B3 311.61,58.42 ; D111.A14 388.62,374.19 ; D111.A14 388.62,372.57 ; D111.A14 389.43,373.38 ; D111.A14 387.81,373.38 ; 342.09,73.66 D102.A15 ; D102.A15 342.9,74.47 ; D102.A15 343.71,73.66 ; D102.A15 342.9,72.85 ; 322.58,67.87 D302.B7 ; D302.B7 323.29,68.58 ; D302.B7 322.58,69.29 ; D302.B7 321.87,68.58 ; D322.B14 267.41,71.12 ; D322.B14 266.7,70.41 ; D322.B14 265.99,71.12 ; D322.B14 266.7,71.83 ; D302.A4 315.67,66.04 ; D302.A4 314.25,66.04 ; D302.A4 314.96,66.75 ; D302.A4 314.96,65.33 ; D128.A8 30.48,36.37 ; D128.A8 30.48,34.75 ; D128.A8 29.67,35.56 ; D128.A8 31.29,35.56 ; D301.A12 335.28,87.07 ; D301.A12 334.57,86.36 ; D301.A12 335.28,85.65 ; D301.A12 335.99,86.36 ; 327.66,329.39 D113.B9 ; D113.B9 326.85,330.2 ; D113.B9 327.66,331.01 ; D113.B9 328.47,330.2 ; D126.A5 22.86,74.47 ; D126.A5 23.67,73.66 ; D126.A5 22.05,73.66 ; D126.A5 22.86,72.85 ; CSDPS225.B12 246.38,333.55 ; CSDPS225.B12 247.19,332.74 ; CSDPS225.B12 246.38,331.93 ; CSDPS225.B12 245.57,332.74 ; 190.5,339.55 CSDPS429.C5 ; CSDPS429.C5 190.5,341.17 ; CSDPS429.C5 189.69,340.36 ; CSDPS429.C5 191.31,340.36 ; 344.63,60.96 D103.B16 ; D103.B16 345.44,60.15 ; D103.B16 346.25,60.96 ; D103.B16 345.44,61.77 ; 395.43,78.74 D106.B7 ; D106.B7 396.24,79.55 ; D106.B7 396.24,77.93 ; D106.B7 397.05,78.74 ; 326.85,370.84 D115.B9 ; D115.B9 327.66,370.03 ; D115.B9 328.47,370.84 ; D115.B9 327.66,371.65 ; 100.79,33.02 D132.A7 ; D132.A7 101.6,32.21 ; D132.A7 102.41,33.02 ; D132.A7 101.6,33.83 ; 104.14,100.79 D129.B8 ; D129.B8 104.14,102.41 ; D129.B8 103.33,101.6 ; D129.B8 104.95,101.6 ; 332.85,181.33 SITE4.G6 ; SITE4.G6 333.33,181.81 ; SITE4.G6 333.81,181.33 ; SITE4.G6 333.33,180.85 ; 247.85,187.93 SITE3.G7 ; SITE3.G7 248.33,187.45 ; SITE3.G7 248.33,188.41 ; SITE3.G7 248.81,187.93 ; D108.A1 381.81,33.02 ; D108.A1 381,33.83 ; D108.A1 381,32.21 ; D108.A1 380.19,33.02 ; D431.B11 176.07,381 ; D431.B11 174.45,381 ; D431.B11 175.26,380.19 ; D431.B11 175.26,381.81 ; D317.A1 160.02,84.53 ; D317.A1 160.73,83.82 ; D317.A1 159.31,83.82 ; D317.A1 160.02,83.11 ; D119.A3 165.91,53.34 ; D119.A3 165.1,54.15 ; D119.A3 164.29,53.34 ; D119.A3 165.1,52.53 ; 164.29,33.02 D120.A3 ; D120.A3 165.1,33.83 ; D120.A3 165.91,33.02 ; D120.A3 165.1,32.21 ; D123.A6 247.19,55.88 ; D123.A6 246.38,55.07 ; D123.A6 245.57,55.88 ; D123.A6 246.38,56.69 ; 104.14,55.07 D131.A8 ; D131.A8 103.33,55.88 ; D131.A8 104.95,55.88 ; D131.A8 104.14,56.69 ; D120.B9 181.15,38.1 ; D120.B9 180.34,37.29 ; D120.B9 179.53,38.1 ; D120.B9 180.34,38.91 ; 342.09,391.16 D116.B3 ; D116.B3 343.71,391.16 ; D116.B3 342.9,390.35 ; D116.B3 342.9,391.97 ; 240.49,40.64 D124.B4 ; D124.B4 242.11,40.64 ; D124.B4 241.3,39.83 ; D124.B4 241.3,41.45 ; D110.A3 416.56,356.41 ; D110.A3 415.75,355.6 ; D110.A3 417.37,355.6 ; D110.A3 416.56,354.79 ; 193.04,342.09 CSDPS429.B4 ; CSDPS429.B4 193.85,342.9 ; CSDPS429.B4 193.04,343.71 ; CSDPS429.B4 192.23,342.9 ; 170.18,32.21 D120.A5 ; D120.A5 169.37,33.02 ; D120.A5 170.99,33.02 ; D120.A5 170.18,33.83 ; 413.21,35.56 D108.A14 ; D108.A14 414.02,36.37 ; D108.A14 414.02,34.75 ; D108.A14 414.83,35.56 ; D302.A1 307.34,64.21 ; D302.A1 307.34,62.79 ; D302.A1 306.63,63.5 ; D302.A1 308.05,63.5 ; CSDPS425.C11 248.92,341.17 ; CSDPS425.C11 249.73,340.36 ; CSDPS425.C11 248.11,340.36 ; CSDPS425.C11 248.92,339.55 ; 337.82,57.61 D103.B13 ; D103.B13 338.63,58.42 ; D103.B13 337.82,59.23 ; D103.B13 337.01,58.42 ; D322.B6 247.09,71.12 ; D322.B6 246.38,70.41 ; D322.B6 245.67,71.12 ; D322.B6 246.38,71.83 ; D110.B11 396.24,351.33 ; D110.B11 395.43,350.52 ; D110.B11 397.05,350.52 ; D110.B11 396.24,349.71 ; SITE1.G18 250.71,246.43 ; SITE1.G18 249.75,246.43 ; SITE1.G18 250.23,245.95 ; SITE1.G18 250.23,246.91 ; D123.B15 270.05,58.42 ; D123.B15 269.24,59.23 ; D123.B15 268.43,58.42 ; D123.B15 269.24,57.61 ; 334.57,91.44 D301.B12 ; D301.B12 335.99,91.44 ; D301.B12 335.28,92.15 ; D301.B12 335.28,90.73 ; 252.63,245.95 SITE1.G20 ; SITE1.G20 252.15,246.43 ; SITE1.G20 252.63,246.91 ; SITE1.G20 253.11,246.43 ; 14.43,40.64 D128.B2 ; D128.B2 16.05,40.64 ; D128.B2 15.24,39.83 ; D128.B2 15.24,41.45 ; 331.33,247.45 SITE2.G10 ; SITE2.G10 331.81,247.93 ; SITE2.G10 330.85,247.93 ; SITE2.G10 331.33,248.41 ; D120.B12 187.96,41.45 ; D120.B12 187.15,40.64 ; D120.B12 188.77,40.64 ; D120.B12 187.96,39.83 ; D302.A8 325.83,66.04 ; D302.A8 325.12,66.75 ; D302.A8 324.41,66.04 ; D302.A8 325.12,65.33 ; 116.03,38.1 D132.B13 ; D132.B13 116.84,38.91 ; D132.B13 117.65,38.1 ; D132.B13 116.84,37.29 ; 245.67,66.04 D322.A6 ; D322.A6 247.09,66.04 ; D322.A6 246.38,66.75 ; D322.A6 246.38,65.33 ; D305.A15 416.56,84.53 ; D305.A15 417.27,83.82 ; D305.A15 416.56,83.11 ; D305.A15 415.85,83.82 ; D104.B11 333.55,38.1 ; D104.B11 332.74,37.29 ; D104.B11 332.74,38.91 ; D104.B11 331.93,38.1 ; 17.78,52.53 D127.A3 ; D127.A3 17.78,54.15 ; D127.A3 18.59,53.34 ; D127.A3 16.97,53.34 ; 397.97,393.7 D112.A10 ; D112.A10 398.78,392.89 ; D112.A10 399.59,393.7 ; D112.A10 398.78,394.51 ; D106.B6 393.7,82.09 ; D106.B6 394.51,81.28 ; D106.B6 392.89,81.28 ; D106.B6 393.7,80.47 ; 161.75,373.38 D231.A16 ; D231.A16 162.56,374.19 ; D231.A16 163.37,373.38 ; D231.A16 162.56,372.57 ; 198.12,70.41 D318.B16 ; D318.B16 198.83,71.12 ; D318.B16 198.12,71.83 ; D318.B16 197.41,71.12 ; D132.A11 111.76,33.83 ; D132.A11 110.95,33.02 ; D132.A11 112.57,33.02 ; D132.A11 111.76,32.21 ; 264.16,77.93 D122.B13 ; D122.B13 264.97,78.74 ; D122.B13 263.35,78.74 ; D122.B13 264.16,79.55 ; 14.43,76.2 D126.A2 ; D126.A2 15.24,77.01 ; D126.A2 15.24,75.39 ; D126.A2 16.05,76.2 ; 387.81,35.56 D108.A4 ; D108.A4 388.62,36.37 ; D108.A4 389.43,35.56 ; D108.A4 388.62,34.75 ; 411.48,37.29 D108.B13 ; D108.B13 412.29,38.1 ; D108.B13 411.48,38.91 ; D108.B13 410.67,38.1 ; 312.42,414.48 DPS2.A15 ; DPS2.A15 312.42,416.1 ; DPS2.A15 313.23,415.29 ; DPS2.A15 311.61,415.29 ; D302.B9 328.37,68.58 ; D302.B9 326.95,68.58 ; D302.B9 327.66,67.87 ; D302.B9 327.66,69.29 ; 401.32,62.79 D306.A9 ; D306.A9 402.03,63.5 ; D306.A9 400.61,63.5 ; D306.A9 401.32,64.21 ; D302.B15 342.9,69.29 ; D302.B15 342.19,68.58 ; D302.B15 343.61,68.58 ; D302.B15 342.9,67.87 ; 44.91,60.96 D127.B14 ; D127.B14 46.53,60.96 ; D127.B14 45.72,60.15 ; D127.B14 45.72,61.77 ; D122.B8 251.46,82.09 ; D122.B8 252.27,81.28 ; D122.B8 251.46,80.47 ; D122.B8 250.65,81.28 ; 170.18,62.79 D318.A5 ; D318.A5 170.89,63.5 ; D318.A5 170.18,64.21 ; D318.A5 169.47,63.5 ; CSDPS229.C5 190.5,331.01 ; CSDPS229.C5 191.31,330.2 ; CSDPS229.C5 190.5,329.39 ; CSDPS229.C5 189.69,330.2 ; 241.3,80.47 D122.B4 ; D122.B4 240.49,81.28 ; D122.B4 242.11,81.28 ; D122.B4 241.3,82.09 ; 50.8,34.75 D128.A16 ; D128.A16 49.99,35.56 ; D128.A16 50.8,36.37 ; D128.A16 51.61,35.56 ; D318.A2 163.27,66.04 ; D318.A2 161.85,66.04 ; D318.A2 162.56,65.33 ; D318.A2 162.56,66.75 ; 184.61,330.2 CSDPS229.C7 ; CSDPS229.C7 185.42,329.39 ; CSDPS229.C7 185.42,331.01 ; CSDPS229.C7 186.23,330.2 ; D108.A7 396.24,33.83 ; D108.A7 395.43,33.02 ; D108.A7 396.24,32.21 ; D108.A7 397.05,33.02 ; D113.A16 310.69,332.74 ; D113.A16 309.88,333.55 ; D113.A16 309.07,332.74 ; D113.A16 309.88,331.93 ; D126.B15 48.26,79.55 ; D126.B15 47.45,78.74 ; D126.B15 48.26,77.93 ; D126.B15 49.07,78.74 ; 160.02,375.11 D231.A17 ; D231.A17 160.02,376.73 ; D231.A17 160.83,375.92 ; D231.A17 159.21,375.92 ; D132.A15 122.73,33.02 ; D132.A15 121.92,32.21 ; D132.A15 121.11,33.02 ; D132.A15 121.92,33.83 ; D109.A2 419.1,333.55 ; D109.A2 418.29,332.74 ; D109.A2 419.1,331.93 ; D109.A2 419.91,332.74 ; 260.81,81.28 D122.B12 ; D122.B12 261.62,82.09 ; D122.B12 262.43,81.28 ; D122.B12 261.62,80.47 ; D112.B5 412.29,391.16 ; D112.B5 410.67,391.16 ; D112.B5 411.48,390.35 ; D112.B5 411.48,391.97 ; 185.42,72.85 D118.A11 ; D118.A11 186.23,73.66 ; D118.A11 184.61,73.66 ; D118.A11 185.42,74.47 ; 174.45,375.92 D231.A11 ; D231.A11 176.07,375.92 ; D231.A11 175.26,376.73 ; D231.A11 175.26,375.11 ; D107.B7 396.24,59.23 ; D107.B7 397.05,58.42 ; D107.B7 396.24,57.61 ; D107.B7 395.43,58.42 ; 238.76,339.55 CSDPS425.C15 ; CSDPS425.C15 237.95,340.36 ; CSDPS425.C15 239.57,340.36 ; CSDPS425.C15 238.76,341.17 ; D108.A11 407.21,33.02 ; D108.A11 406.4,32.21 ; D108.A11 406.4,33.83 ; D108.A11 405.59,33.02 ; D126.A11 38.91,73.66 ; D126.A11 38.1,72.85 ; D126.A11 38.1,74.47 ; D126.A11 37.29,73.66 ; D124.A4 242.11,35.56 ; D124.A4 241.3,36.37 ; D124.A4 241.3,34.75 ; D124.A4 240.49,35.56 ; SITE4.G14 330.23,183.31 ; SITE4.G14 329.75,182.83 ; SITE4.G14 330.23,182.35 ; SITE4.G14 330.71,182.83 ; 44.91,40.64 D128.B14 ; D128.B14 45.72,41.45 ; D128.B14 46.53,40.64 ; D128.B14 45.72,39.83 ; 251.85,181.33 SITE3.G5 ; SITE3.G5 252.33,181.81 ; SITE3.G5 252.81,181.33 ; SITE3.G5 252.33,180.85 ; D131.A5 96.52,54.15 ; D131.A5 96.52,52.53 ; D131.A5 95.71,53.34 ; D131.A5 97.33,53.34 ; SITE2.G1 328.33,241.81 ; SITE2.G1 328.33,240.85 ; SITE2.G1 327.85,241.33 ; SITE2.G1 328.81,241.33 ; 169.47,83.82 D317.A5 ; D317.A5 170.18,84.53 ; D317.A5 170.89,83.82 ; D317.A5 170.18,83.11 ; D318.A10 182.88,66.75 ; D318.A10 182.88,65.33 ; D318.A10 182.17,66.04 ; D318.A10 183.59,66.04 ; D116.B12 320.04,389.43 ; D116.B12 320.85,388.62 ; D116.B12 320.04,387.81 ; D116.B12 319.23,388.62 ; 261.62,70.41 D322.B12 ; D322.B12 260.91,71.12 ; D322.B12 262.33,71.12 ; D322.B12 261.62,71.83 ; D118.A9 181.15,73.66 ; D118.A9 179.53,73.66 ; D118.A9 180.34,72.85 ; D118.A9 180.34,74.47 ; 104.14,95.71 D129.A8 ; D129.A8 104.95,96.52 ; D129.A8 104.14,97.33 ; D129.A8 103.33,96.52 ; D109.A1 422.45,335.28 ; D109.A1 421.64,336.09 ; D109.A1 421.64,334.47 ; D109.A1 420.83,335.28 ; D305.B5 391.87,88.9 ; D305.B5 391.16,88.19 ; D305.B5 391.16,89.61 ; D305.B5 390.45,88.9 ; D107.A16 419.91,55.88 ; D107.A16 419.1,55.07 ; D107.A16 419.1,56.69 ; D107.A16 418.29,55.88 ; D102.B2 309.88,82.09 ; D102.B2 309.88,80.47 ; D102.B2 309.07,81.28 ; D102.B2 310.69,81.28 ; D131.A1 87.17,53.34 ; D131.A1 85.55,53.34 ; D131.A1 86.36,52.53 ; D131.A1 86.36,54.15 ; D131.A9 107.49,53.34 ; D131.A9 106.68,54.15 ; D131.A9 105.87,53.34 ; D131.A9 106.68,52.53 ; 176.99,81.28 D118.B8 ; D118.B8 177.8,80.47 ; D118.B8 177.8,82.09 ; D118.B8 178.61,81.28 ; 335.28,367.49 D115.B6 ; D115.B6 336.09,368.3 ; D115.B6 334.47,368.3 ; D115.B6 335.28,369.11 ; D123.A11 259.08,54.15 ; D123.A11 258.27,53.34 ; D123.A11 259.89,53.34 ; D123.A11 259.08,52.53 ; 236.22,55.07 D123.A2 ; D123.A2 236.22,56.69 ; D123.A2 235.41,55.88 ; D123.A2 237.03,55.88 ; DPS2.A05 338.63,415.29 ; DPS2.A05 337.01,415.29 ; DPS2.A05 337.82,416.1 ; DPS2.A05 337.82,414.48 ; 253.19,33.02 D124.A9 ; D124.A9 254.81,33.02 ; D124.A9 254,33.83 ; D124.A9 254,32.21 ; 185.42,32.21 D120.A11 ; D120.A11 186.23,33.02 ; D120.A11 185.42,33.83 ; D120.A11 184.61,33.02 ; D306.A1 381.71,63.5 ; D306.A1 380.29,63.5 ; D306.A1 381,62.79 ; D306.A1 381,64.21 ; D301.B9 328.37,88.9 ; D301.B9 327.66,89.61 ; D301.B9 327.66,88.19 ; D301.B9 326.95,88.9 ; 197.41,66.04 D318.A16 ; D318.A16 198.12,66.75 ; D318.A16 198.12,65.33 ; D318.A16 198.83,66.04 ; 250.75,66.04 D322.A8 ; D322.A8 252.17,66.04 ; D322.A8 251.46,66.75 ; D322.A8 251.46,65.33 ; D104.A15 343.71,33.02 ; D104.A15 342.9,32.21 ; D104.A15 342.9,33.83 ; D104.A15 342.09,33.02 ; SITE4.G13 329.03,183.31 ; SITE4.G13 329.03,182.35 ; SITE4.G13 329.51,182.83 ; SITE4.G13 328.55,182.83 ; CSDPS229.B14 168.45,332.74 ; CSDPS229.B14 166.83,332.74 ; CSDPS229.B14 167.64,333.55 ; CSDPS229.B14 167.64,331.93 ; D122.B9 254,79.55 ; D122.B9 254.81,78.74 ; D122.B9 253.19,78.74 ; D122.B9 254,77.93 ; D130.B14 119.38,82.09 ; D130.B14 118.57,81.28 ; D130.B14 119.38,80.47 ; D130.B14 120.19,81.28 ; D126.B4 20.32,82.09 ; D126.B4 20.32,80.47 ; D126.B4 19.51,81.28 ; D126.B4 21.13,81.28 ; 172.72,342.09 CSDPS429.B12 ; CSDPS429.B12 171.91,342.9 ; CSDPS429.B12 173.53,342.9 ; CSDPS429.B12 172.72,343.71 ; D122.A14 266.7,77.01 ; D122.A14 267.51,76.2 ; D122.A14 265.89,76.2 ; D122.A14 266.7,75.39 ; D113.B13 318.31,330.2 ; D113.B13 317.5,329.39 ; D113.B13 316.69,330.2 ; D113.B13 317.5,331.01 ; 12.7,32.21 D128.A1 ; D128.A1 11.89,33.02 ; D128.A1 12.7,33.83 ; D128.A1 13.51,33.02 ; 309.07,353.06 D114.A16 ; D114.A16 309.88,353.87 ; D114.A16 310.69,353.06 ; D114.A16 309.88,352.25 ; 324.41,86.36 D301.A8 ; D301.A8 325.12,87.07 ; D301.A8 325.83,86.36 ; D301.A8 325.12,85.65 ; 406.4,354.79 D110.A7 ; D110.A7 406.4,356.41 ; D110.A7 407.21,355.6 ; D110.A7 405.59,355.6 ; 106.68,93.17 D129.A9 ; D129.A9 105.87,93.98 ; D129.A9 107.49,93.98 ; D129.A9 106.68,94.79 ; D125.B13 43.99,99.06 ; D125.B13 42.37,99.06 ; D125.B13 43.18,98.25 ; D125.B13 43.18,99.87 ; 263.35,73.66 D122.A13 ; D122.A13 264.97,73.66 ; D122.A13 264.16,72.85 ; D122.A13 264.16,74.47 ; D431.A3 195.58,386.89 ; D431.A3 194.77,386.08 ; D431.A3 195.58,385.27 ; D431.A3 196.39,386.08 ; 85.55,73.66 D130.A1 ; D130.A1 87.17,73.66 ; D130.A1 86.36,72.85 ; D130.A1 86.36,74.47 ; 189.69,381 D431.B5 ; D431.B5 190.5,381.81 ; D431.B5 190.5,380.19 ; D431.B5 191.31,381 ; 22.86,77.93 D126.B5 ; D126.B5 22.05,78.74 ; D126.B5 22.86,79.55 ; D126.B5 23.67,78.74 ; 255.73,76.2 D122.A10 ; D122.A10 256.54,77.01 ; D122.A10 257.35,76.2 ; D122.A10 256.54,75.39 ; 27.13,33.02 D128.A7 ; D128.A7 28.75,33.02 ; D128.A7 27.94,32.21 ; D128.A7 27.94,33.83 ; 177.8,377.65 D431.B10 ; D431.B10 176.99,378.46 ; D431.B10 178.61,378.46 ; D431.B10 177.8,379.27 ; D127.B15 49.07,58.42 ; D127.B15 48.26,59.23 ; D127.B15 48.26,57.61 ; D127.B15 47.45,58.42 ; D123.B10 256.54,61.77 ; D123.B10 257.35,60.96 ; D123.B10 256.54,60.15 ; D123.B10 255.73,60.96 ; 197.31,368.3 D231.B2 ; D231.B2 198.93,368.3 ; D231.B2 198.12,369.11 ; D231.B2 198.12,367.49 ; 118.57,96.52 D129.A14 ; D129.A14 120.19,96.52 ; D129.A14 119.38,97.33 ; D129.A14 119.38,95.71 ; D113.B11 323.39,330.2 ; D113.B11 322.58,329.39 ; D113.B11 321.77,330.2 ; D113.B11 322.58,331.01 ; 114.3,55.07 D131.A12 ; D131.A12 115.11,55.88 ; D131.A12 114.3,56.69 ; D131.A12 113.49,55.88 ; D111.B7 406.4,371.65 ; D111.B7 405.59,370.84 ; D111.B7 407.21,370.84 ; D111.B7 406.4,370.03 ; D431.A17 160.83,386.08 ; D431.A17 160.02,385.27 ; D431.A17 159.21,386.08 ; D431.A17 160.02,386.89 ; 314.15,373.38 D115.A14 ; D115.A14 315.77,373.38 ; D115.A14 314.96,372.57 ; D115.A14 314.96,374.19 ; D115.B5 338.63,370.84 ; D115.B5 337.82,370.03 ; D115.B5 337.82,371.65 ; D115.B5 337.01,370.84 ; 195.58,67.87 D318.B15 ; D318.B15 196.29,68.58 ; D318.B15 194.87,68.58 ; D318.B15 195.58,69.29 ; 171.91,55.88 D119.A6 ; D119.A6 172.72,55.07 ; D119.A6 172.72,56.69 ; D119.A6 173.53,55.88 ; CSDPS429.B2 198.93,342.9 ; CSDPS429.B2 198.12,343.71 ; CSDPS429.B2 198.12,342.09 ; CSDPS429.B2 197.31,342.9 ; D302.A13 338.53,63.5 ; D302.A13 337.11,63.5 ; D302.A13 337.82,64.21 ; D302.A13 337.82,62.79 ; D107.A14 414.02,56.69 ; D107.A14 413.21,55.88 ; D107.A14 414.02,55.07 ; D107.A14 414.83,55.88 ; D115.A1 348.79,375.92 ; D115.A1 347.98,376.73 ; D115.A1 347.98,375.11 ; D115.A1 347.17,375.92 ; DPS1.A11 407.21,13.97 ; DPS1.A11 406.4,13.16 ; DPS1.A11 405.59,13.97 ; DPS1.A11 406.4,14.78 ; 408.94,347.17 D110.B6 ; D110.B6 408.13,347.98 ; D110.B6 408.94,348.79 ; D110.B6 409.75,347.98 ; 35.56,34.75 D128.A10 ; D128.A10 35.56,36.37 ; D128.A10 36.37,35.56 ; D128.A10 34.75,35.56 ; 386.08,390.35 D112.B15 ; D112.B15 386.08,391.97 ; D112.B15 385.27,391.16 ; D112.B15 386.89,391.16 ; D114.B5 338.63,350.52 ; D114.B5 337.82,349.71 ; D114.B5 337.82,351.33 ; D114.B5 337.01,350.52 ; 419.1,60.15 D107.B16 ; D107.B16 419.1,61.77 ; D107.B16 418.29,60.96 ; D107.B16 419.91,60.96 ; SITE3.G12 253.33,188.41 ; SITE3.G12 253.33,187.45 ; SITE3.G12 253.81,187.93 ; SITE3.G12 252.85,187.93 ; 179.53,58.42 D119.B9 ; D119.B9 181.15,58.42 ; D119.B9 180.34,59.23 ; D119.B9 180.34,57.61 ; 260.81,60.96 D123.B12 ; D123.B12 261.62,61.77 ; D123.B12 262.43,60.96 ; D123.B12 261.62,60.15 ; D104.A1 307.34,33.83 ; D104.A1 307.34,32.21 ; D104.A1 308.15,33.02 ; D104.A1 306.53,33.02 ; 164.29,386.08 D431.A15 ; D431.A15 165.1,386.89 ; D431.A15 165.1,385.27 ; D431.A15 165.91,386.08 ; 326.95,83.82 D301.A9 ; D301.A9 328.37,83.82 ; D301.A9 327.66,83.11 ; D301.A9 327.66,84.53 ; D125.B6 26.21,101.6 ; D125.B6 25.4,102.41 ; D125.B6 25.4,100.79 ; D125.B6 24.59,101.6 ; 411.48,395.43 D112.A5 ; D112.A5 412.29,396.24 ; D112.A5 410.67,396.24 ; D112.A5 411.48,397.05 ; 316.79,68.58 D302.B5 ; D302.B5 317.5,69.29 ; D302.B5 317.5,67.87 ; D302.B5 318.21,68.58 ; 248.85,247.93 SITE1.G8 ; SITE1.G8 249.81,247.93 ; SITE1.G8 249.33,248.41 ; SITE1.G8 249.33,247.45 ; 185.42,37.29 D120.B11 ; D120.B11 184.61,38.1 ; D120.B11 186.23,38.1 ; D120.B11 185.42,38.91 ; 233.68,52.53 D123.A1 ; D123.A1 233.68,54.15 ; D123.A1 234.49,53.34 ; D123.A1 232.87,53.34 ; UNK4U1.4 482.59,186.05 ; UNK4U1.4 481.65,185.11 ; UNK4U1.4 483.53,185.11 ; UNK4U1.4 482.59,184.17 ; 405.69,83.82 D305.A11 ; D305.A11 406.4,84.53 ; D305.A11 406.4,83.11 ; D305.A11 407.11,83.82 ; 518.92,202.51 S4_I2C.4 ; S4_I2C.4 517.98,203.45 ; S4_I2C.4 518.92,204.39 ; S4_I2C.4 519.86,203.45 ; 335.28,65.33 D302.A12 ;